# KiCad board beaglebone-ai-rev-a2.kicad_pcb (continued)
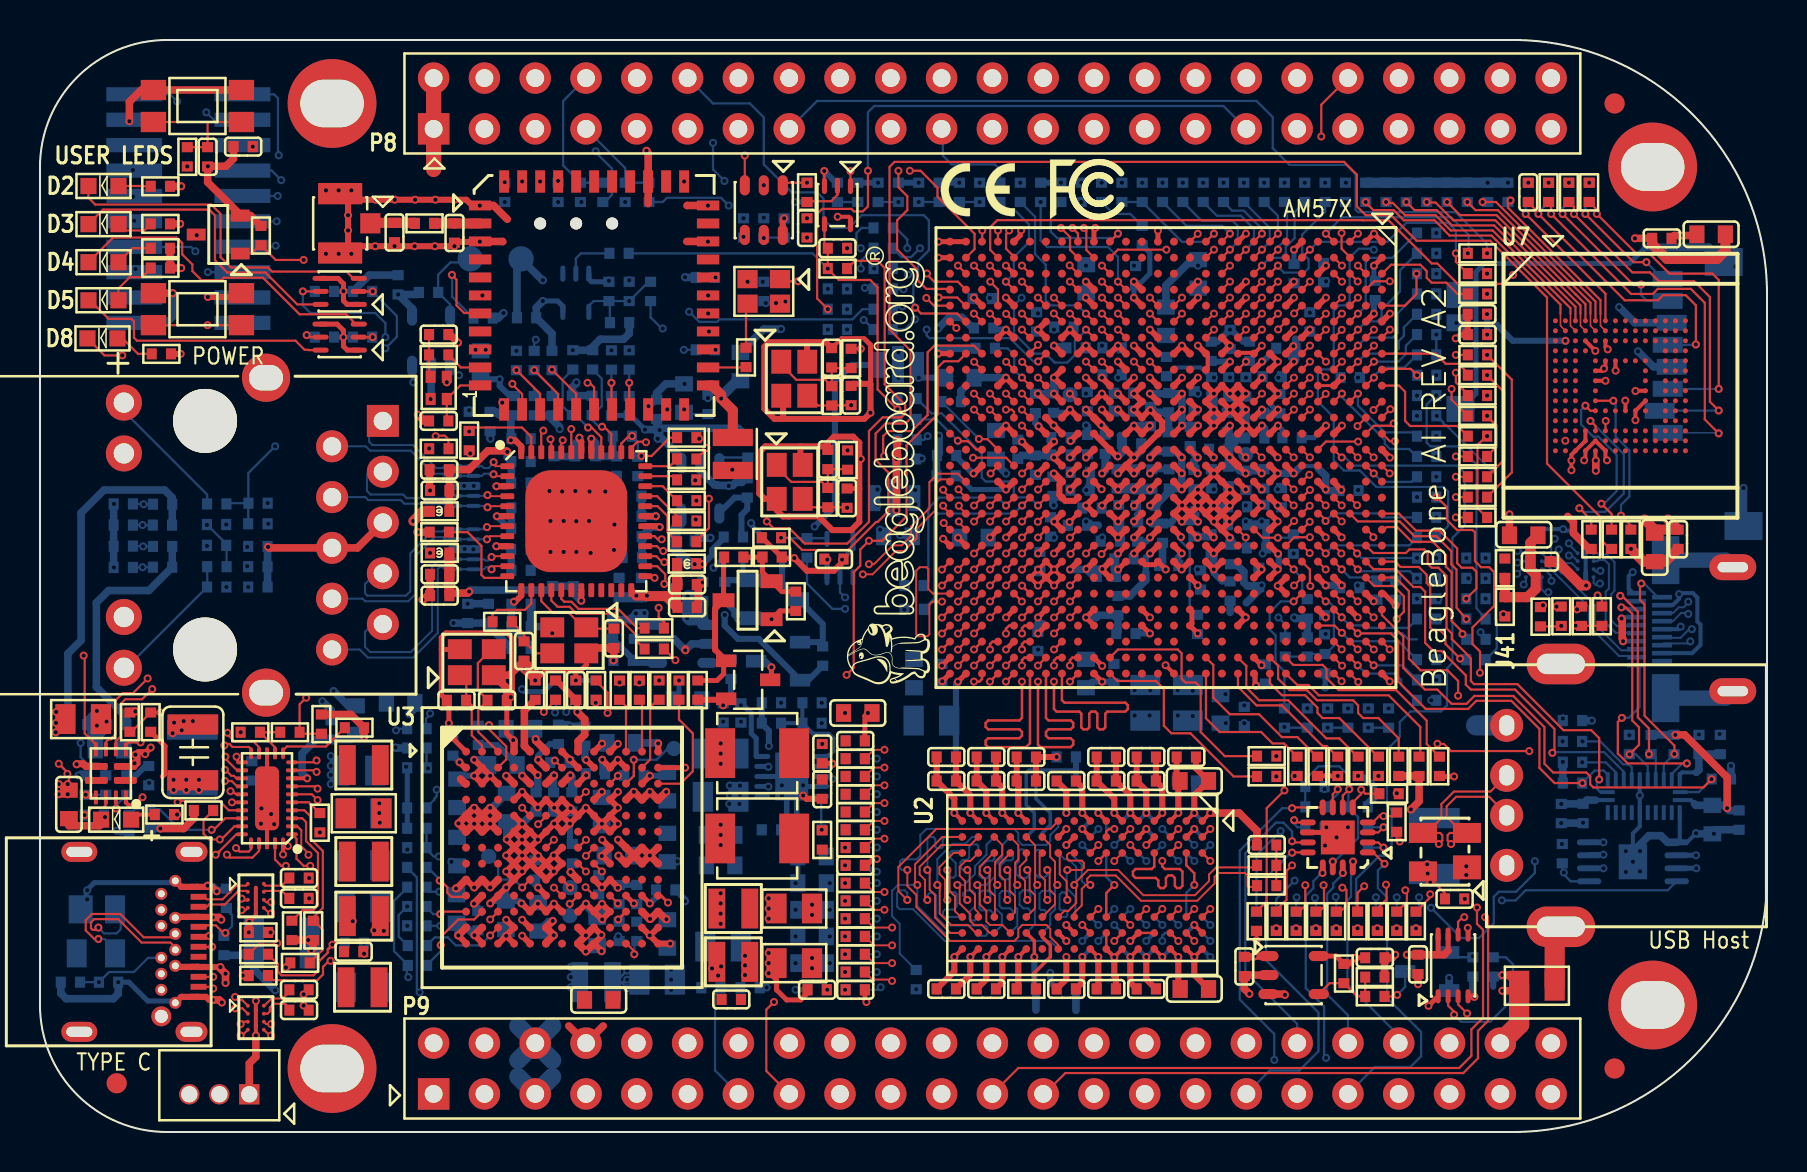
[diagram p0: board, top side]
## Routing (per net, layer and track width the routed paths; a pad name or vN(x,y) marks a point on that pad's centre or on a via; arc(x,y) is an arc through that point) (continued)
/DDR/DDR Part 1/DDR1_DQSN0: length 32.3
  TOP w0.127: U4.AG25 v1(45.9,24.92)
  SIG_L5 w0.094: v1(53.72,11.15) 53.72,11.38 53.04,12.07 53.04,12.45 51.92,13.56 51.1,13.56 49.89,14.78 49.89,16.74 46.66,19.96 39.83,19.96 39.5,20.29 39.5,25.12 39.96,25.58 44.7,25.58 44.94,25.34 45.22,25.34 45.62,24.94 45.9,24.94 v1(45.9,24.92)
  BOTTOM w0.127: U11.G3 v1(53.72,11.15)
/DDR/DDR Part 1/DDR1_DQSN1: length 30.4
  TOP w0.127: U4.AE28 v1(47.5,22.52)
  SIG_L10 w0.102: v1(57.72,13.55) 57.76,13.55 57.76,13.87 57.66,13.98 57.43,13.98 57.32,13.86 57.32,13.15 57.45,13.02 58.9,13.02 59,13.13 59,16 58.17,16.83 57.38,16.83 57.13,17.09 57.13,18.04 57,18.17 56.81,18.17 56.68,18.04 56.68,17.05 56.41,16.77 56.01,16.77 55.73,17.05 55.73,18.04 55.61,18.17 55.41,18.17 55.29,18.04 55.29,17.05 55.01,16.77 54.61,16.77 54.34,17.05 54.34,18.04 54.21,18.17 54.02,18.17 53.89,18.04 53.89,17.81 53.62,17.53 52.71,17.53 52.43,17.81 52.43,18.53 52.68,18.78 52.68,19.27 52.52,19.44 51.48,19.44 51.22,19.69 51.22,21.34 51.1,21.47 47.57,21.47 47.44,21.6 47.44,21.81 47.67,22.04 47.67,22.4 47.54,22.52 v1(47.5,22.52)
  BOTTOM w0.127: U11.B7 v1(57.72,13.55)
/DDR/DDR Part 1/DDR1_DQSN2: length 31.2
  TOP w0.127: U2.G3 v1(52.92,13.55) ; U4.AD28 v1(48.3,22.52)
  INT_L3 w0.102: v1(52.92,13.55) 52.82,13.65 52.82,13.85 52.92,13.95 53.22,13.95 53.32,13.85 53.32,13.15 53.55,12.93 54.72,12.93 54.95,12.7 54.95,11.95 54.78,11.78 53.42,11.78 53.3,11.9 53.3,12.46 51.83,13.93 50.28,13.93 50.15,14.06 50.15,14.51 50.28,14.64 50.64,14.64 50.92,14.92 50.92,15.51 50.64,15.78 50.47,15.78 50.34,15.91 50.34,16.19 50.49,16.33 51.86,16.33 52.12,16.59 52.12,17.16 51.85,17.43 50.47,17.43 50.34,17.56 50.34,18.01 50.47,18.13 51.85,18.13 52.12,18.41 52.12,20.4 51.85,20.67 51.32,20.67 51.04,20.4 51.04,19.53 50.92,19.4 50.6,19.4 50.47,19.53 50.47,20.4 50.19,20.67 50.15,20.67 48.58,20.67 48.39,20.87 48.39,21.85 48.13,22.11 48.13,22.41 48.24,22.52 v1(48.3,22.52)
/DDR/DDR Part 1/DDR1_DQSN3: length 30
  TOP w0.127: U2.B7 v1(57.72,11.15) ; U4.Y27 51.63,23.72 51.5,23.6 v1(51.5,23.32)
  SIG_L8 w0.094: v1(51.5,23.32) 51.68,23.5 51.68,24.2 51.99,24.5 52.44,24.5 52.73,24.22 52.73,22.25 52.87,22.1 53.64,22.1 53.95,21.79 53.95,20.57 54.08,20.44 54.59,20.44 54.89,20.14 54.89,19.69 54.59,19.39 54.07,19.39 53.95,19.27 53.95,19.11 54.07,18.99 55.22,18.99 55.99,18.23 55.99,16.77 56.11,16.64 56.32,16.64 56.44,16.77 56.44,17.85 56.75,18.15 57.2,18.15 57.51,17.85 57.51,16.77 57.64,16.64 57.9,16.64 58.03,16.77 58.03,17.85 58.34,18.15 58.84,18.15 59.21,17.79 59.21,12 58.9,11.68 57.76,11.68 57.64,11.56 57.64,11.22 57.7,11.15 v1(57.72,11.15)
/Ethernet/PHY_GPIO0: length 5.1
  TOP w0.114: U14.39 28.57,34.91 28.24,35.23 28.14,35.23 v1(28.11,35.27)
  BOTTOM w0.114: v1(28.11,35.27) 28.09,35.28 27.94,35.28 27.61,35.61 R181.1 27.65,35.86 28.09,36.3 28.09,37.68 R170.2
/Ethernet/PHY_GPIO1: length 5.4
  TOP w0.114: U14.40 28.07,34.75 27.58,35.23 v1(27.41,35.23)
  BOTTOM w0.114: R171.2 26.14,37.62 26.14,36.3 26.58,35.86 R187.1 26.78,35.86 v1(27.41,35.23) 27.41,35.2
/Ethernet/PHY_LED0: length 21.7
  TOP w0.114: U14.47 24.57,34.77 24.1,35.23 21.67,35.23 v1(21.46,35.03)
  SIG_L5 w0.102: 9.32,27.28 v1(9.32,27.25) 9.67,27.6 9.67,31.01 11.86,33.2 v1(12.67,33.2)
  SIG_L8 w0.102: v1(12.67,33.2) 15.19,33.2 16.18,34.19 18.48,34.19 19.47,35.18 21.31,35.18 v1(21.46,35.03)
/Ethernet/PHY_LED1: length 24
  TOP w0.114: v1(25.17,35.08) 25.07,34.97 U14.46
  SIG_L5 w0.102: v1(8.35,30.36) 8.49,30.36 12.17,34.04 12.17,34.9 v1(12.65,35.38)
  SIG_L8 w0.102: v1(12.65,35.38) 15.54,35.38 16.46,34.47 18.44,34.47 19.38,35.41 24.84,35.41 v1(25.17,35.08)
  BOTTOM w0.114: v1(8.35,30.36) R163.1 9.31,29.41 R158.2 9.33,29.32 R153.2
/Ethernet/PHY_LED2: length 22.8
  TOP w0.114: v1(25.53,34.65) 25.57,34.6 U14.45
  SIG_L8 w0.102: v1(25.53,34.65) 25.63,34.75 25.63,35.26 25.17,35.71 19.28,35.71 18.32,34.75 16.61,34.75 15.6,35.76 12.39,35.76 11.76,35.13 v1(11.76,34.29)
  BOTTOM w0.114: R144.2 9.36,31.45 R165.2 ; v1(11.76,34.29) 10.42,32.95 R165.2 ; R165.2 10.41,31.44 R166.1
/Ethernet/PHY_MDC: length 6.3
  TOP w0.114: R117.2 29.81,24.58 29.81,24.85 28.74,25.92 26.83,25.92 26.48,26.26 25.88,26.26 25.57,26.58 U14.16
/Ethernet/PHY_MDIO: length 5.2
  TOP w0.114: R116.2 29.87,25.2 28.91,26.16 26.93,26.16 26.57,26.52 26.21,26.52 26.07,26.66 U14.17
/Ethernet/PHY_RBIAS: length 4.7
  TOP w0.114: U14.12 23.2,27.8 23.11,27.71 22.22,27.71 22.07,27.86 22.07,29.31 21.39,30 R118.1
/Ethernet/PHY_TD_A_M: length 9.5
  TOP w0.102: U14.2 22.78,32.8 v1(22.68,32.89)
  BOTTOM w0.102: J37.2 16.29,34.29 16.51,34.07 18.54,34.07 19.69,32.92 20.13,32.92 20.24,32.81 U17.9 U17.2 22.09,32.81 22.2,32.92 22.45,32.92 22.51,32.86 22.65,32.86 v1(22.68,32.89)
/Ethernet/PHY_TD_A_P: length 9.2
  TOP w0.102: U14.1 22.78,33.3 22.68,33.4 v1(22.68,33.5)
  BOTTOM w0.102: J37.1 16.46,34.87 16.46,34.52 16.62,34.35 18.66,34.35 19.81,33.2 20.13,33.2 20.24,33.31 U17.10 U17.1 22.09,33.31 22.2,33.2 22.43,33.2 22.68,33.45 v1(22.68,33.5)
/Ethernet/PHY_TD_B_M: length 9
  TOP w0.102: U14.5 22.43,31.3 v1(22.38,31.24)
  BOTTOM w0.102: J37.4 16.27,31.75 16.42,31.6 18.05,31.6 18.22,31.42 20.22,31.42 20.33,31.31 U17.6 U17.5 22.31,31.31 v1(22.38,31.24)
/Ethernet/PHY_TD_B_P: length 8.9
  TOP w0.102: v1(22.38,31.85) 22.43,31.8 U14.4
  BOTTOM w0.102: J37.3 16.48,33.02 16.35,32.89 16.35,32.06 16.54,31.88 18.16,31.88 18.34,31.7 20.22,31.7 20.33,31.81 U17.7 U17.4 22.34,31.81 v1(22.38,31.85)
/Ethernet/PHY_TD_C_M: length 11.4
  TOP w0.102: U14.8 22.51,29.8 v1(22.35,29.64)
  BOTTOM w0.102: v1(22.35,29.64) U18.2 U18.9 20.24,29.64 20.13,29.75 19.73,29.75 18.8,28.81 18.8,26.92 18.42,26.54 16.26,26.54 16.13,26.67 J37.8
/Ethernet/PHY_TD_C_P: length 11.3
  TOP w0.102: U14.7 22.45,30.3 22.4,30.25 v1(22.35,30.25)
  BOTTOM w0.102: v1(22.35,30.25) 22.35,30.24 22.25,30.14 U18.1 U18.10 20.24,30.14 20.13,30.03 19.62,30.03 18.52,28.93 18.52,27.04 18.3,26.82 16.37,26.82 16.26,26.94 16.26,27.41 16.79,27.94 J37.7
/Ethernet/PHY_TD_D_M: length 12.9
  TOP w0.102: v1(22.58,28.14) 22.73,28.3 U14.11
  BOTTOM w0.102: J37.10 15.99,24.13 16.39,23.72 18.66,23.72 19.89,24.95 19.89,28.15 19.99,28.25 20.13,28.25 20.24,28.14 U18.6 U18.5 22.2,28.14 22.31,28.25 22.47,28.25 v1(22.58,28.14)
/Ethernet/PHY_TD_D_P: length 12.9
  TOP w0.102: U14.10 22.62,28.8 v1(22.58,28.75)
  BOTTOM w0.102: J37.9 16.64,25.4 16.26,25.02 16.26,24.26 16.51,24 18.54,24 19.61,25.07 19.61,28.26 19.88,28.53 20.13,28.53 20.24,28.64 U18.7 U18.4 22.2,28.64 22.26,28.58 22.41,28.58 v1(22.58,28.75)
/Ethernet/PHY_VDDA_1V8_1: length 3.6
  TOP w0.305: U14.13 24.07,26.82 23.76,26.52 v1(23.7,26.52)
  BOTTOM w0.381: v1(23.7,26.52) C86.1 C85.1 24.54,24.31 FB2.2
/Ethernet/PHY_VDDA_1V8_2: length 3.6
  TOP w0.305: U14.48 24.07,34.29 23.76,34.59 v1(23.55,34.59)
  BOTTOM w0.381: v1(23.55,34.59) 23.55,35.66 C137.1 23.7,35.86 22.96,35.86 22.81,36.02 FB10.2
/Ethernet/PHY_XI: length 4.8
  TOP w0.114: C334.1 27.38,25.17 X9.1 27.17,25.24 26.45,25.96 25.65,25.96 25.07,26.54 U14.15
/Ethernet/PHY_XO_R: length 3.2
  TOP w0.114: U14.14 24.57,26.42 24.26,26.11 22.86,26.11 22.63,25.88 R105.1
/Ethernet/RX_CLK: length 2.8
  TOP w0.114: R114.2 31.38,30 31.38,30.8 30.88,31.3 U14.32
/Ethernet/RX_CTRL: length 4.6
  TOP w0.114: v1(29.61,34.81) 29.45,34.81 29.07,34.43 U14.38 ; R115.2 31.5,34.72 30.58,33.81 v1(30.07,33.81)
  BOTTOM w0.114: v1(30.07,33.81) 30.03,33.76 R172.1 29.9,34.51 R167.2 v1(29.61,34.81)
/Ethernet/RX_D0: length 2.2
  TOP w0.114: R106.2 31.86,30.8 30.86,31.8 U14.33
/Ethernet/RX_D1: length 1.9
  TOP w0.114: U14.34 31.14,32.3 R109.2
/Ethernet/RX_D2: length 1.7
  TOP w0.114: R110.2 31.68,32.8 U14.35
/Ethernet/RX_D3: length 1.7
  TOP w0.114: R111.2 31.5,33.3 U14.36
/Ethernet/U15_FB: length 2.8
  BOTTOM w0.305: U15.4 29.76,23.46 R120.1 29.64,23.66 R119.2
/Ethernet/U16_FB: length 3.9
  BOTTOM w0.305: R133.2 35.08,29.83 35.08,30.86 35.37,31.15 R135.1 34.74,31.72 33.97,30.96 U16.4
/Exp Conn/CLKOUT3: length 9.8
  SIG_L5 w0.102: v1(67.84,10.19) 67.94,10.19 68.81,9.32 68.81,8.28 68.4,7.87 68.4,5.99 68.96,5.44 68.96,3.43 P9.41
/Exp Conn/EEP_WP: length 4.2
  BOTTOM w0.114: TP1.1 21.34,43.49 20.53,43.49 19.91,42.87 R21.2 20.51,41.39 U9.5
/Exp Conn/GPIO4_3: length 43.3
  TOP w0.114: R682.2 v1(72.36,41.92)
  SIG_L10 w0.102: v1(72.36,41.92) 71.95,42.33 71.95,43.52 v1(72.36,43.94)
  BOTTOM w0.114: v1(72.36,43.94) 72.36,44.42 70.79,46 65.91,46 65.79,46.13 65.79,47.93 65.76,47.93 65.33,48.36 62.48,48.36 61.65,49.2 61.65,50.75 60.83,51.56 38.86,51.56 P8.15
/Exp Conn/GPIO4_18: length 6.4
  SIG_L5 w0.102: P9.42 70.08,4.85 70.08,8.92 v1(68.81,10.19)
/Exp Conn/I2C4_SCL: length 29
  SIG_L5 w0.102: v1(63.8,10.19) 63.8,10.11 61.6,7.9 60.23,7.9 59.16,6.83 52.65,6.83 52.2,6.38 49.88,6.38 48.64,5.14 48.64,3.77 48.25,3.38 46.71,3.38 46.35,3.73 46.35,5.08 45.97,5.46 44.45,5.46 43.94,4.95 43.94,3.3 P9.19
/Exp Conn/I2C4_SDA: length 22.7
  SIG_L5 w0.102: v1(62.81,10.19) 62.81,10.13 61.1,8.42 59.94,8.42 58.94,7.43 52.43,7.43 51.89,6.88 49.68,6.88 48.51,5.72 43.81,5.72 P9.20
/Exp Conn/I2C5_SCL: length 26.3
  SIG_L5 w0.102: v1(61.82,10.19) 61.85,10.16 61.85,9.91 61.11,9.17 60.27,9.17 58.83,7.73 52.28,7.73 51.66,7.11 49.52,7.11 48.38,5.97 42.54,5.97 41.21,4.64 41.21,3.11 P9.17
/Exp Conn/I2C5_SDA: length 23.9
  TOP w0.114: R636.2 v1(60.83,9.59)
  SIG_L5 w0.102: v1(60.83,9.59) 60.24,9.59 58.67,8.03 52.12,8.03 51.43,7.34 49.38,7.34 48.26,6.22 42.35,6.22 40.58,4.45 P9.18
  BOTTOM w0.114: R636.2 v1(60.83,9.59)
/Exp Conn/LCD_CLK: length 35.9
  SIG_L8 w0.102: v1(69.82,40.89) 68.3,40.89 66.29,42.9 66.29,43.69 65.72,44.26 65.15,44.26 64.73,44.68 64.73,45.38 63.02,47.09 54.95,47.09 54.74,47.31 54.74,48.58 54.23,49.09 52.13,49.09 51.69,49.53 51.69,51.69 P8.28
  SIG_L10 w0.102: v1(69.82,40.89) 69.47,40.54 69.47,39.19 70.31,38.35 70.99,38.35 71.18,38.16 71.18,35.14 v1(69.82,33.78)
/Exp Conn/LCD_DATA0: length 21.3
  TOP w0.114: R662.2 73.6,32.98 73.6,37.63 v1(72.36,38.86)
  INT_L3 w0.102: v1(72.36,38.86) 72.39,38.86 72.77,39.24 72.77,47.57 73.23,48.03 74.07,48.03 74.96,48.92 74.96,49.56 P8.45
/Exp Conn/LCD_DATA1: length 26.1
  TOP w0.114: R664.2 72.36,30.76 72.33,30.76 71.88,31.2 71.88,34.35 72.33,34.8 v1(72.36,34.8)
  INT_L3 w0.102: P8.46 77.04,51.23 77.04,47.29 76.03,46.29 74.16,46.29 73.26,45.4 73.26,35.7 v1(72.36,34.8)
/Exp Conn/LCD_DATA8: length 30.9
  SIG_L10 w0.102: P8.37 65.4,49.02 66.85,47.57 66.85,46.25 67.06,46.05 67.64,46.05 69.22,44.48 69.22,42.72 69.02,42.53 69.02,38.67 69.28,38.42 69.28,37.72 69.58,37.41 69.88,37.41 70.21,37.08 70.21,36.17 v1(69.85,35.81)
  BOTTOM w0.114: R627.2 72.85,24.18 72.85,25.59 72.77,25.66 72.77,32.89 70.33,35.34 70.27,35.34 70.17,35.44 70.17,35.5 v1(69.85,35.81) R626.2
/Exp Conn/LCD_DATA9: length 33.6
  TOP w0.114: P8.38 64.07,51.37 v1(64.07,49.78)
  SIG_L10 w0.102: v1(69.82,36.83) 69.79,36.83 69.15,37.47 68.64,37.47 68.45,37.66 68.45,38.48 68.71,38.74 68.71,41.91 68.45,42.16 68.45,44.83 67.54,45.75 66.01,45.75 65.72,46.04 65.72,47.75 64.07,49.4 v1(64.07,49.78)
  BOTTOM w0.114: R630.2 71.83,26.2 71.83,33.39 70.93,34.29 69.53,34.29 69.34,34.48 69.34,36.39 69.79,36.83 v1(69.82,36.83)
/Exp Conn/LCD_DATA10: length 31.1
  INT_L3 w0.102: v1(72.36,42.93) 71.75,43.54 71.75,47.75 72.35,48.35 73.88,48.35 74.45,48.92 74.45,51.28 74.19,51.54 74.19,53.19 73.66,53.72 63.88,53.72 P8.36
  SIG_L10 w0.102: v1(72.36,42.93) 72.9,42.39 72.9,37.36 v1(72.36,36.83)
/Exp Conn/LCD_DATA11: length 39.3
  TOP w0.114: v1(72.36,35.81) 72.36,35.79 72.83,35.32 72.83,34.28 72.36,33.81 R684.2
  INT_L3 w0.102: P8.34 61.59,53.98 73.91,53.98 74.49,53.4 74.49,51.71 74.5,51.71 74.85,51.36 76.23,51.36 76.68,50.9 76.68,49.35 76.05,48.72 76.05,46.99 75.64,46.58 74.12,46.58 73,45.46 73,36.45 v1(72.36,35.81)
/Exp Conn/LCD_DATA12: length 55.6
  SIG_L5 w0.102: v1(70.42,39.27) 70.32,39.37 69.6,39.37 68.45,40.51 64.13,40.51 63.91,40.28 63.91,39.97 63.67,39.73 58.54,39.73 58.32,39.95 58.32,41.99 58.17,42.14 55.3,42.14 55.09,41.94 55.09,41.55 54.05,40.51 52.13,40.51 51.88,40.26 51.88,39.88 51.73,39.73 41.83,39.73 41.55,40 41.15,40 40.64,40.51 39.78,40.51 v1(39.4,40.13)
  SIG_L8 w0.102: P8.35 63.63,50.93 65.56,50.93 66.17,50.32 66.17,47.75 66.7,47.22 67.26,47.22 67.69,46.79 67.69,46.1 68.28,45.52 69.89,45.52 70.23,45.17 70.23,44.81 69.98,44.55 69.52,44.55 69.34,44.37 69.34,43.88 69.79,43.43 69.79,42.96 v1(69.82,42.93)
  SIG_L10 w0.102: v1(70.42,39.27) 70.42,40.96 69.98,41.4 69.79,41.4 69.41,41.78 69.41,42.55 69.79,42.93 v1(69.82,42.93)
/Exp Conn/LCD_DATA13: length 43.9
  TOP w0.114: v1(41.4,48.07) 41.4,46.29 41.15,46.04 40.7,46.04 40.58,46.16 39.12,46.16 38.86,45.91 38.86,41.68 v1(39.4,41.15)
  SIG_L8 w0.102: P8.33 61.34,49.15 64.39,49.15 66.83,46.71 66.83,46.36 68.22,44.96 v1(69.82,44.96)
  BOTTOM w0.114: v1(41.4,48.07) 41.4,50.99 41.72,51.31 59.18,51.31 P8.33
/Exp Conn/LCD_DATA14: length 32
  SIG_L8 w0.102: v1(69.82,41.91) 68.83,41.91 68.33,42.42 68.33,44.22 66.87,45.68 65.58,45.68 64.64,46.62 64.64,47.78 63.59,48.83 59.12,48.83 P8.31
  SIG_L10 w0.102: v1(69.82,41.91) 69.85,41.88 70.89,41.88 71.42,41.35 71.42,30.68 71.75,30.35 71.75,29.24 v1(72.29,28.7)
/Exp Conn/LCD_DATA15: length 37.1
  SIG_L8 w0.102: v1(69.82,43.94) 69.82,44.07 70.46,44.7 70.46,45.35 70.02,45.8 68.38,45.8 67.92,46.25 67.92,46.89 67.28,47.52 66.78,47.52 66.42,47.88 66.42,50.61 65.85,51.18 59.31,51.18 P8.32
  SIG_L10 w0.102: v1(72.29,27.69) 72.77,28.17 72.77,30.02 72.75,30.02 71.68,31.09 71.68,38.76 71.65,38.79 71.65,41.73 69.82,43.56 v1(69.82,43.94)
/Exp Conn/LCD_DE: length 29.3
  SIG_L8 w0.102: v1(69.82,39.88) 70.04,39.66 70.04,38.8 70.42,38.42 70.93,38.42 71.18,38.67 71.18,40.78 70.43,41.53 68.77,41.53 67.94,42.35 67.94,44.25 66.79,45.4 65.54,45.4 63.88,47.06 63.88,48.01 63.37,48.51 57.59,48.51 56.71,49.4 56.71,51.24 P8.30
  BOTTOM w0.114: R620.2 v1(69.82,39.88)
/Exp Conn/LCD_HSYNC: length 29.3
  SIG_L8 w0.102: v1(69.82,37.85) 69.72,37.95 69.72,39.37 69.41,39.69 69.41,40.2 69.6,40.39 70.1,40.39 70.29,40.58 70.29,41.08 70.1,41.28 68.25,41.28 67.08,42.44 67.08,44.32 66.89,44.51 65.79,44.51 65.44,44.86 65.44,45.17 63.63,46.99 63.63,47.82 63.25,48.2 56.9,48.2 55.24,49.85 P8.29
  SIG_L10 w0.102: 69.84,37.85 v1(69.82,37.85) 70.13,37.54 70.84,37.54 70.95,37.43 70.95,36.54 70.29,35.88 70.29,35.24 69.85,34.8 v1(69.82,34.8)
/Exp Conn/LCD_VSYNC: length 41
  TOP w0.114: R666.2 73.22,33.62 73.22,37 v1(72.36,37.85)
  SIG_L8 w0.102: v1(72.36,37.85) 72.33,37.85 71.78,38.39 71.78,41.02 70.41,42.39 70.41,44.25 70.74,44.58 70.74,45.52 70.21,46.05 69.04,46.05 68.81,46.28 68.81,46.61 67.67,47.75 67.03,47.75 66.67,48.11 66.67,51.03 66.14,51.56 59.88,51.56 59.31,52.13 59.31,53.28 58.86,53.72 54.36,53.72 53.97,53.34 53.97,51.44 P8.27
/Exp Conn/MCASP_FSR: length 43.6
  TOP w0.114: R668.2 76.05,25.29 v1(76.07,25.31)
  SIG_L8 w0.102: v1(76.07,25.31) 74.71,25.31 73.09,23.69 73.09,21.68 72.09,20.68 72.09,17.5 71.3,16.71 71.3,14 70.64,13.34 70.64,10.26 70.08,9.7 70.08,5.99 69.47,5.38 69.47,3.89 68.33,2.74 53.54,2.74 P9.27
/Exp Conn/SPI3_D1: length 16.7
  SIG_L5 w0.102: v1(65.89,10.19) 66.29,9.78 66.29,8.03 63.98,5.72 63.98,4.29 62.94,3.25 56.59,3.25 P9.29
/Exp Conn/SPI3_SCLK: length 14.5
  SIG_L5 w0.102: P9.31 58.88,3 63.04,3 64.24,4.19 64.24,5.5 66.66,7.92 66.66,9.92 66.88,10.13 v1(66.88,10.19)
/Exp Conn/TIMER11: length 4.7
  BOTTOM w0.114: P8.7 29.26,48.21 R28.2 R67.2
/Exp Conn/TIMER12: length 7.2
  BOTTOM w0.114: P8.8 26.16,51.56 26.16,48.34 R23.2 R68.2
/Exp Conn/UART3_RXD: length 39.9
  SIG_L5 w0.102: v1(64.39,20.22) 63.63,19.46 61.47,19.46 60.17,18.16 60.17,13.46 62.69,10.95 63.65,10.95 64.19,10.41 64.19,9.83 61.97,7.61 60.4,7.61 59.39,6.6 52.83,6.6 52.35,6.12 49.95,6.12 48.9,5.07 48.9,3.64 48.39,3.14 46.39,3.14 P9.22
  BOTTOM w0.114: R697.2 v1(64.39,20.22)
/Exp Conn/UART3_TXD: length 45.6
  SIG_L5 w0.102: P9.21 45.15,1.91 46.13,2.88 48.51,2.88 49.15,3.52 49.15,5 50.02,5.87 52.55,5.87 53.04,6.35 62.26,6.35 62.86,6.96 62.86,8.13 64.41,9.68 64.41,10.5 64.99,11.07 69.14,11.07 69.39,10.82 69.8,10.82 69.95,10.97 69.95,13.36 69.27,14.05 69.27,18.01 70.31,19.05 70.31,19.91 70,20.22 v1(66.42,20.22)
  BOTTOM w0.114: R694.2 v1(66.42,20.22)
/Exp Conn/UART5_RXD: length 65.2
  TOP w0.114: R687.2 R688.2 76.8,25.31 v1(76.78,25.32)
  SIG_L8 w0.102: v1(76.78,25.32) 76.42,25.69 74.66,25.69 72.85,23.88 72.85,21.82 71.83,20.8 71.83,17.63 71.02,16.81 71.02,14.1 70.41,13.49 70.41,10.52 69.82,9.93 69.82,6.1 69.19,5.46 69.19,4.05 68.14,3 51.74,3 51.54,2.79 33.27,2.79 P9.11
/Exp Conn/UART5_TXD: length 6.9
  BOTTOM w0.114: P9.13 33.76,3.07 33.76,6.88 34.03,7.16 R6.2 R5.2
/Exp Conn/UART10_RXD: length 18
  SIG_L5 w0.102: v1(64.82,10.19) 64.82,9.39 63.25,7.81 63.25,6.9 62.46,6.11 53.25,6.11 52.76,5.61 51.33,5.61 P9.26
/HDMI/HDMI_5V_OUT: length 20.3
  TOP w0.381: v1(81.78,19.86) 82.24,19.86 84.37,17.74 v1(84.37,16.19)
  SIG_L8 w0.381: v1(79.64,28) 80.39,28 80.81,27.58 80.81,20.83 v1(81.78,19.86)
  BOTTOM w0.203: U5.12 82.55,16.6 82.73,16.41 ; 79.89,26.95 J91.19 79.66,26.95 79.44,27.16 79.44,27.8 v1(79.64,28)
  BOTTOM w0.381: R65.1 R64.1 v1(81.78,19.86) ; 82.73,16.41 82.81,16.33 C30.1 84.22,16.33 v1(84.37,16.19) 84.48,16.08 C31.1
/HDMI/HDMI_CEC: length 10.7
  TOP w0.114: v1(79.49,18.89) 79.96,19.36 79.96,20.24 79.62,20.58 79.62,25.91 79.3,26.24 v1(79.08,26.24)
  BOTTOM w0.114: v1(79.08,26.24) 79.12,26.24 79.13,26.23 79.18,26.23 79.26,26.15 J91.15 79.89,26.15 ; v1(79.49,18.89) 79.81,18.89 80.4,18.3 U5.6
/HDMI/HDMI_CKN: length 7.3
  SIG_L5 w0.094: v1(82.42,26.52) 82.42,26.47 82.22,26.26 80.71,26.26 79.13,27.84 78.26,27.84 v1(78.03,28.06)
  BOTTOM w0.102: v1(82.42,26.52) 82.42,26.47 82.19,26.24 81.95,26.24 81.67,25.96 81.12,25.96 J91.14 ; U91.A3 77.83,28.01 77.97,28.01 v1(78.03,28.06)
/HDMI/HDMI_CKP: length 7.3
  SIG_L5 w0.094: v1(82.42,25.91) 82.35,25.91 82.3,25.96 80.58,25.96 79,27.53 78.11,27.53 v1(78,27.43)
  BOTTOM w0.102: v1(78,27.43) 77.94,27.36 77.79,27.36 77.69,27.46 U91.A4 ; v1(82.42,25.91) 82.37,25.96 82.07,25.96 81.65,25.55 J91.12
/HDMI/HDMI_HPD: length 10
  TOP w0.114: v1(79.1,20.71) 78.9,20.51 78.9,18.93 79.4,18.43 v1(82.35,18.43)
  BOTTOM w0.114: U5.9 81.6,17.91 82.12,18.43 v1(82.35,18.43) ; J91.1 79.98,23.2 79.98,21.24 79.45,20.71 v1(79.1,20.71)
/HDMI/HDMI_SCL: length 11
  TOP w0.114: v1(79.02,26.81) 79.11,26.81 79.9,26.02 79.9,20.74 80.46,20.18 v1(80.46,18.9)
  BOTTOM w0.114: U5.7 80.8,18.67 R65.2 v1(80.46,18.9) ; 79.89,26.55 J91.17 79.37,26.55 79.11,26.81 v1(79.02,26.81)
/HDMI/HDMI_SDA: length 12.1
  TOP w0.114: v1(81.73,18.91) 81.73,19.32 80.23,20.82 80.23,26.39 80.01,26.61 80.01,27.37 v1(80.07,27.43)
  BOTTOM w0.114: v1(80.07,27.43) 80.22,27.43 80.9,26.75 J91.18 ; U5.8 81.2,18.38 R64.2
/HDMI/HDMI_T0N: length 5.7
  BOTTOM w0.102: U91.A1 77.88,28.95 77.94,28.89 78.35,28.89 78.73,28.51 78.73,27.06 78.57,26.9 78.57,25.59 78.86,25.3 79.33,25.3 79.38,25.35 J91.11 79.89,25.35
/HDMI/HDMI_T0P: length 5.7
  BOTTOM w0.102: U91.A2 77.88,28.55 77.94,28.61 78.24,28.61 78.45,28.39 78.45,27.18 78.29,27.01 78.29,25.47 78.79,24.97 79.36,24.97 79.38,24.95 J91.9 79.89,24.95
/HDMI/HDMI_T1N: length 10.8
  SIG_L5 w0.094: v1(75.58,27.56) 75.62,27.56 76.2,26.97 77.11,26.97 78.8,25.29 79.94,25.29 80.34,24.89 82.22,24.89 82.42,25.1 82.55,25.1 v1(82.6,25.15)
  BOTTOM w0.102: U92.A3 75.23,28.15 75.54,27.84 75.54,27.62 75.56,27.6 75.56,27.58 v1(75.58,27.56) ; J91.8 81.14,24.71 82.04,24.71 82.42,25.1 82.55,25.1 v1(82.6,25.15)
/HDMI/HDMI_T1P: length 10.7
  SIG_L5 w0.094: v1(75.43,26.99) 75.47,27.04 75.71,27.04 76.07,26.67 76.99,26.67 78.67,24.98 79.82,24.98 80.21,24.59 82.47,24.59 v1(82.52,24.54)
  BOTTOM w0.102: J91.6 81.2,24.43 82.4,24.43 82.5,24.54 v1(82.52,24.54) ; v1(75.43,26.99) 75.24,26.99 75.08,27.15 75.08,27.73 U92.A4
/HDMI/HDMI_T2N: length 7.3
  BOTTOM w0.102: J91.5 79.83,24.15 79.77,24.09 79.08,24.09 77.75,25.41 77.75,26.35 76.16,27.94 76.08,27.94 75.34,28.68 75.34,28.71 U92.A1
/HDMI/HDMI_T2P: length 7.3
  BOTTOM w0.102: J91.3 79.82,23.75 79.76,23.81 78.96,23.81 77.45,25.31 77.45,26.25 76.04,27.66 76.04,27.66 75.15,28.55 U92.A2
/HDMI/U5_VCCA_3V3: length 4.6
  BOTTOM w0.203: U5.23 77.79,16.6
  BOTTOM w0.381: 77.79,16.6 77.35,16.6 C32.1 76.08,16.41 v1(76.07,16.41) ; v1(76.15,18.51) R63.1 R62.1 ; R66.1 v1(79.48,19.84) ; R61.1 v1(76.14,19.53) ; R16.1 v1(84.56,18.31) ; FB4.1 v1(77.6,20.57)
/MMC_UBOOT/MMC2_CLK: length 21.4
  TOP w0.114: v1(78.3,35.56) 78.28,35.55 U7.M6
  SIG_L8 w0.102: v1(78.3,35.56) 78.3,36.2 77.61,36.88 73.05,36.88 72.57,37.36 72.29,37.36 71.56,38.09 71.56,40.83 69.98,42.42 69.53,42.42 69.28,42.67 69.28,43.56 66.9,45.94 66.14,45.94 65.85,46.23 65.85,46.86 65.3,47.41 v1(65.3,47.47)
  BOTTOM w0.114: R202.1 v1(65.3,47.47)
/MMC_UBOOT/MMC2_CMD: length 28.3
  TOP w0.114: U7.M5 77.79,35.07 77.79,35.31 v1(77.53,35.56) ; v1(76.98,31.19) 77.57,30.6 R188.2 ; U4.H6 v1(61.9,40.93)
  SIG_L8 w0.102: v1(77.53,35.56) 76.64,36.45 71.51,36.45 71.15,36.8 70.44,36.8 70.03,37.21 68.83,37.21 68.45,37.59 68.45,38.61 68.14,38.93 64.13,38.93 63.94,39.12 63.94,39.5 63.72,39.73 63.35,39.73 63.12,39.95 63.12,40.26 62.86,40.51 62.48,40.51 62.07,40.93 v1(61.9,40.93)
  BOTTOM w0.114: v1(77.53,35.56) 79.2,33.9 79.2,31.93 78.28,31.01 77.19,31.01 77.01,31.19 v1(76.98,31.19)
/MMC_UBOOT/MMC2_DAT0: length 22
  TOP w0.114: v1(68.33,46.51) 68.73,46.1 69.85,46.1 70.61,45.34 72.71,45.34 76.78,41.26 U7.A3 ; U4.J4 v1(61.1,42.53)
  SIG_L5 w0.102: v1(68.33,46.51) 68.02,46.51 67.28,45.77 62.22,45.77 61.51,45.07 61.51,43.17 61.1,42.77 v1(61.1,42.53)
/MMC_UBOOT/MMC2_DAT1: length 23
  TOP w0.114: U7.A4 77.28,41.4 76.79,41.89 72.83,45.85 71.01,45.85 v1(70.36,46.51) ; U4.J6 v1(61.1,40.92)
  SIG_L5 w0.102: v1(70.36,46.51) 70.36,46.08 69.88,45.59 68.12,45.59 67.01,44.48 64.49,44.48 63.07,43.05 63.07,42.29 62.86,42.09 62.48,42.09 62.31,41.91 62.31,41.48 62.15,41.33 61.77,41.33 61.37,40.93 v1(61.1,40.93)
/MMC_UBOOT/MMC2_DAT2: length 22.9
  TOP w0.114: U4.H4 v1(61.9,42.53) ; U7.A5 77.78,41.53 72.81,46.51 v1(72.14,46.51)
  SIG_L5 w0.102: v1(72.14,46.51) 71.55,47.09 70.02,47.09 69.72,46.8 69.72,46.16 69.61,46.05 67.93,46.05 67.42,45.54 63.32,45.54 62.29,44.51 62.29,43.19 61.9,42.8 v1(61.9,42.53)
/MMC_UBOOT/MMC2_DAT3: length 25.1
  TOP w0.081: 76.03,40.92 76.03,40.32 U7.B2
  TOP w0.114: U4.H5 v1(61.9,41.73) ; v1(66.29,46.51) 66.29,46.48 66.67,46.1 67.69,46.1 68.2,45.59 69.74,45.59 70.21,45.12 70.21,45.1 70.48,44.83 72.58,44.83 76.03,41.38 76.03,40.92
  SIG_L5 w0.102: v1(66.29,46.51) 65.89,46.1 61.66,46.1 60.7,45.15 60.7,41.55 60.94,41.32 61.4,41.32 61.8,41.73 v1(61.9,41.73)
/MMC_UBOOT/MMC2_DAT4: length 26.8
  TOP w0.081: U7.B3 76.53,40.32 76.53,40.92
  TOP w0.114: v1(67.31,46.51) 67.35,46.46 67.65,46.46 68.26,45.85 69.79,45.85 70.55,45.09 72.64,45.09 76.53,41.2 76.53,40.92 ; U4.K7 v1(60.3,40.12)
  SIG_L5 w0.102: v1(60.3,40.13) 60.1,40.32 60.1,40.32 59.9,40.52 59.9,45.3 61.1,46.49 64.6,46.49 65,46.89 66.93,46.89 v1(67.31,46.51)
/MMC_UBOOT/MMC2_DAT5: length 28.2
  TOP w0.081: U7.B4 77.03,40.32 77.03,40.92
  TOP w0.114: 77.03,40.92 77.03,41.33 72.77,45.59 70.68,45.59 69.79,46.48 69.37,46.48 v1(69.34,46.51) ; U4.M7 v1(58.7,40.13)
  SIG_L5 w0.102: v1(69.34,46.51) 68.76,47.09 64.87,47.09 64.57,46.79 60.81,46.79 59.15,45.13 59.15,41.07 59.15,41.07 59.15,40.57 v1(58.7,40.13)
/MMC_UBOOT/MMC2_DAT6: length 24.1
  TOP w0.081: 77.53,40.92 77.53,40.32 U7.B5
  TOP w0.114: v1(71.37,46.51) 71.78,46.1 72.9,46.1 77.43,41.57 77.43,41.57 77.53,41.47 77.53,40.92 ; v1(61.1,41.73) U4.J5
  SIG_L5 w0.102: v1(61.1,41.73) 61.5,42.13 62.14,42.13 62.31,42.29 62.31,42.75 63.07,43.51 63.07,44.4 64.01,45.34 67.54,45.34 68.05,45.85 69.77,45.85 69.98,46.05 69.98,46.74 70.13,46.89 70.99,46.89 v1(71.37,46.51)
/MMC_UBOOT/MMC2_DAT7: length 28.5
  TOP w0.081: 78.03,40.92 78.03,40.32 U7.B6
  TOP w0.114: 78.03,40.92 78.03,41.6 73.41,46.23 73.41,46.46 v1(73.53,46.58) ; U4.K6 v1(60.3,40.93)
  SIG_L5 w0.102: v1(60.3,40.92) 60.72,40.51 63.65,40.51 63.91,40.77 63.91,41.15 64.08,41.33 65.25,41.33 65.51,41.58 65.51,42.72 65.71,42.93 66.14,42.93 66.93,42.14 69.04,42.14 69.42,42.52 72.72,42.52 73.53,43.33 v1(73.53,46.58)
/USB/3220_ADDR: length 10.3
  TOP w0.114: U13.22 9.44,16.09 8.97,16.56 6.95,16.56 v1(6.88,16.5) ; R60.1 4.57,20.01 R59.2 v1(6.02,20.98)
  INT_L3 w0.102: v1(6.02,20.98) 6.05,20.95 6.05,19.3 6.15,19.2 6.15,17.14 6.79,16.5 v1(6.88,16.5)
/USB/CC1: length 14.3
  TOP w0.102: v1(13.43,13.86) 13.42,13.86 13.42,13.93 13.07,14.29 13.07,15.09
  TOP w0.114: U13.2 12.87,15.29 13.07,15.09 ; 7.88,10.26 J42.A5 8.28,10.26 8.36,10.34 8.79,10.34 9.09,10.03 9.27,10.03 9.3,10.01 9.3,9.98 v1(9.27,9.96)
  INT_L3 w0.102: v1(9.27,9.96) 10.64,8.59 12.14,8.59 12.8,9.25 12.8,9.93 13.11,10.24 13.11,13.54 v1(13.43,13.86)
  BOTTOM w0.114: R533.1 9.32,11.13 9.6,10.85 9.6,10.29 v1(9.27,9.96)
/USB/CC2: length 23.9
  TOP w0.114: v1(13.51,13.31) 13.18,13.31 12.83,13.67 12.83,14.66 U13.1
  INT_L3 w0.102: v1(13.51,13.31) 13.51,13.23 13.84,12.9 13.84,10.62 13.03,9.8 13.03,7.29 11.53,5.79 8.51,5.79 7.41,6.89 6.59,6.89 6.38,6.68 5.89,6.68 5.51,7.06 5.51,8.16 J42.B5
  BOTTOM w0.114: R534.1 v1(2.95,7.49) 3.45,8 4.7,8 5.4,8.71 6.06,8.71 J42.B5
